# Altium PCB Fri3D_2018_01.PcbDoc (part 3 of 3)
Units mm, origin at the board's own origin, x right, y up, seen from the top; angles counter-clockwise.
Board outline 119.76 x 104.41 mm, 2 copper layers (Top Layer, Bottom Layer), stack 1.571 mm thick; 170 components, 102 nets, 573 pads, 233 vias.
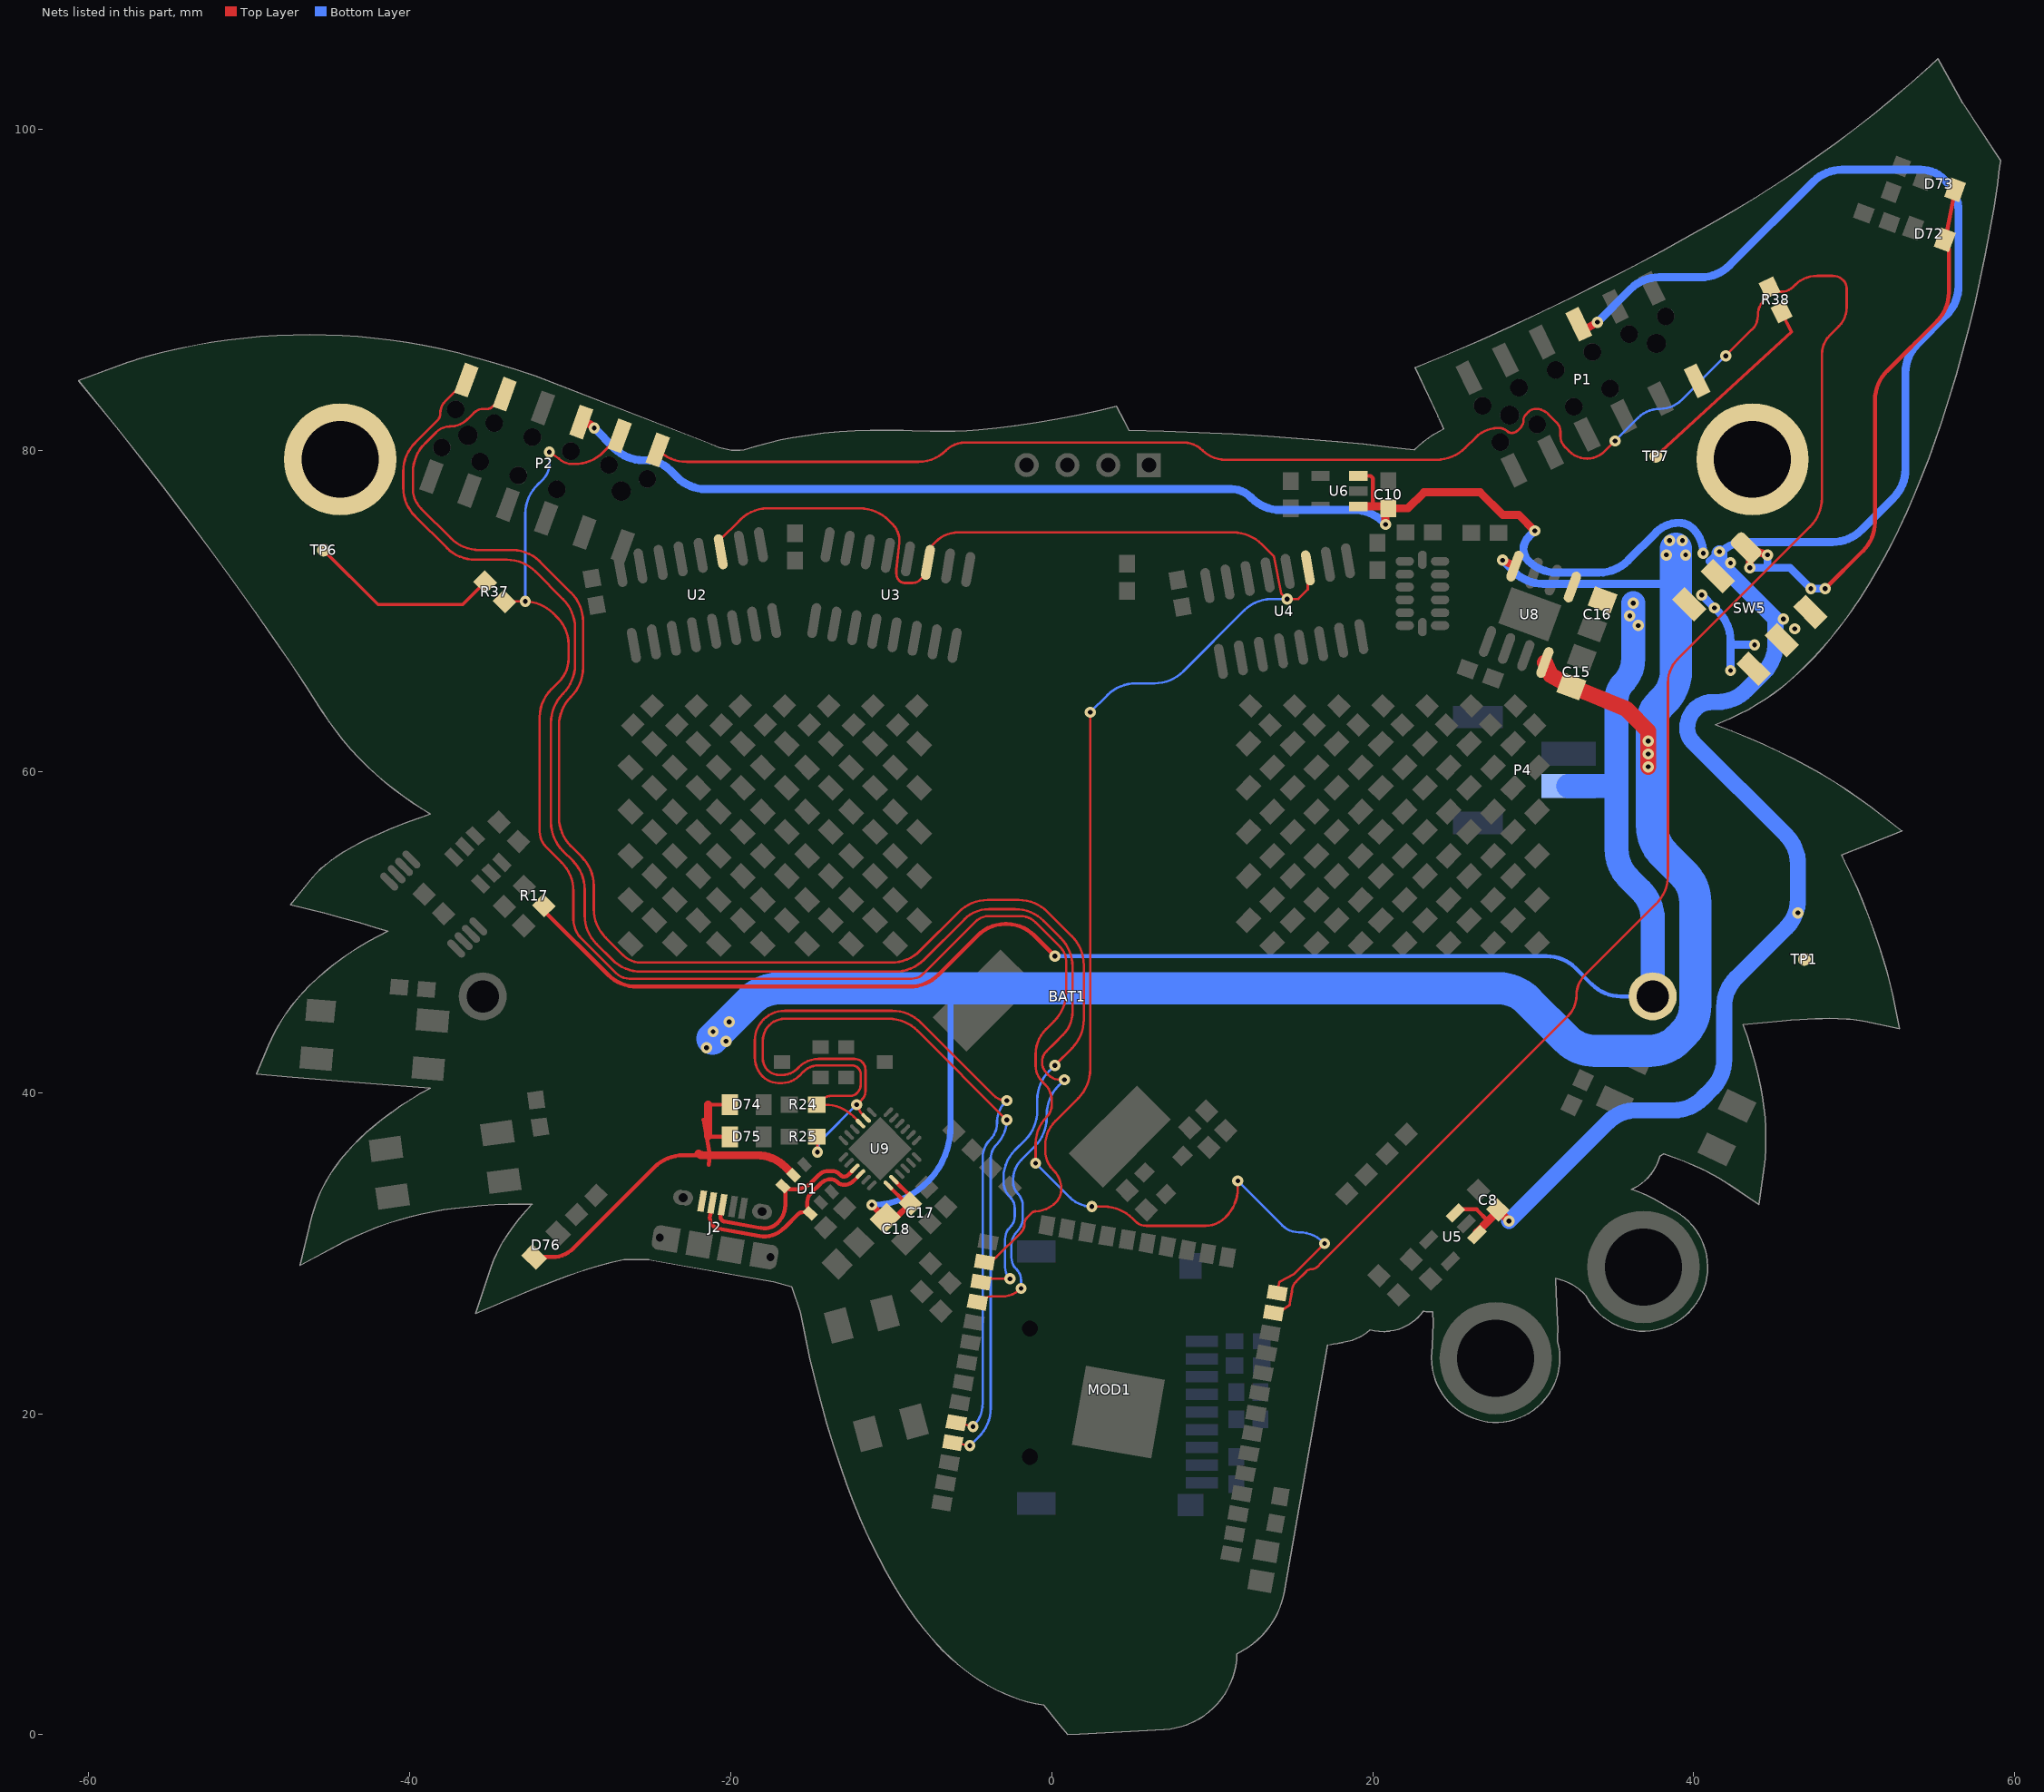
[diagram p3: the nets of this part, all layers, seen from the top]

## Via types
v1: diameter 0.7, hole 0.3, Top Layer to Bottom Layer, tented top, 233 vias

## Nets (pads, with @x,y where several pads share a name; then routed paths per layer and width w, separated by ;. In a path a pad name is that pad's centre, name@x,y a point inside that pad or via, vN(x,y) a via of type N, cw(c..) or ccw(c..) an arc to the next point about the centre after c; other vN are vias at no path point) (continued)
SR.SRCLK: MOD1.26 U2.11 U3.11 U4.11 | length 100.7
  Top Layer w0.15: U2.11@-20.619,73.694 -20.619,74.481 -19.5,75.6 -19.407,75.693 cw(c-17.7,73.986) -17.7,76.4 -11.952,76.4 cw(c-11.952,73.86) -10.156,75.656 -9.905,75.405 cw(c-10.911,74.4) -9.489,74.4 -9.489,74.25 -9.678,72.571 -9.678,72.329 ccw(c-9.071,72.329) -9.661,72.189 ccw(c-9.071,72.329) -9.5,71.9 ccw(c-9.138,72.262) -9.231,71.759 ccw(c-9.138,72.262) -9.138,71.75 -8.681,71.75 ccw(c-8.681,72.431) -8.2,71.949 -7.707,72.442 U3.11@-7.707,73.033 ; U3.11@-7.6,73.14 -7.6,73.95 -7.25,74.3 cw(c-5.801,72.851) -5.801,74.9 11.306,74.9 cw(c11.306,72.36) 13.102,74.156 13.858,73.4 14.3,71.1 v1(14.664,70.75) 15.366,70.75 15.959,71.344 U4.11@15.959,72.694 ; MOD1.26@-4.185,29.445 ccw(c-4.185,30.483) -3.451,29.749 -1.912,31.288 ccw(c-2.424,31.8) -1.7,31.8 cw(c-1.096,31.8) -1.523,32.227 -1.254,32.496 cw(c-0.998,32.24) -1.026,32.601 cw(c-0.998,32.24) -0.998,32.602 ; -0.998,32.602 ccw(c-1.085,34.495) -0.346,32.75 ccw(c-1.085,34.495) 0.255,33.155 ccw(c-0.578,33.988) 0.6,33.988 ccw(c-1.061,33.988) 0.114,35.162 0.1,35.176 cw(c1.307,36.383) -0.4,36.383 -0.4,36.7 cw(c1.773,36.7) 0.236,38.236 ; 0.236,38.236 1.656,39.656 ccw(c-0.14,41.452) 2.4,41.452 v1(2.4,63.7)
  Top Layer w0.25: U3.11@-7.707,73.033 U3.11@-7.6,73.14
  Bottom Layer w0.15: v1(2.4,63.7) 3.456,64.756 cw(c5.252,62.96) 5.252,65.5 6.402,65.5 ccw(c6.402,68.04) 8.198,66.244 12,70.046 ; 12.001,70.047 cw(c13.7,68.347) 13.7,70.75 v1(14.664,70.75)
TOUCH.0: pad.0@-44.333,79.456 R37.2 TP6.1 | length 12.2
  Top Layer w0.2: TP6.1@-45.375,73.8 -41.975,70.4 -36.7,70.4 R37.2@-35.201,71.899
TOUCH.1: P1.11 pad.0@43.667,79.456 R38.2 TP7.1 | length 12.9
  Top Layer w0.2: TP7.1@37.65,79.65 46.1,87.4 R38.2@45.473,88.636
U0.RXD: MOD1.34 R24.2 U9.21 | length 57.2
  Top Layer w0.15: -18.001,41.001 cw(c-16.793,42.207) -18.5,42.207 -18.5,43.234 cw(c-16.634,43.234) -17.954,44.554 cw(c-16.634,43.234) -16.634,45.1 -9.945,45.1 cw(c-9.945,42.56) -8.149,44.356 -3.641,39.849 ccw(c-2.8,40.69) v1(-2.8,39.5) ; -17.999,40.999 ccw(c-17.034,41.966) -17.034,40.6 -16.8,40.6 ccw(c-16.8,42.107) -15.735,41.041 ; -15.734,41.041 -15.476,41.3 cw(c-14.51,40.334) -14.51,41.7 -12.454,41.7 cw(c-12.454,41.146) -12.062,41.538 cw(c-12.454,41.146) -11.9,41.146 -11.9,40.5 cw(c-12.607,40.5) -12.107,40 -12.154,39.954 cw(c-12.524,40.324) -12.524,39.8 -13.7,39.8 ccw(c-13.7,38.834) -14.383,39.517 R24.2@-14.65,39.25 -14.143,39.25 cw(c-14.143,36.71) -12.347,38.506 U9.21@-11.914,38.073 ; MOD1.34@-5.95,19.439 v1(-4.9,19.2)
  Bottom Layer w0.15: v1(-4.9,19.2) ccw(c-6.349,20.649) -4.3,20.649 -4.3,35.964 cw(c-2.764,35.964) -3.85,37.05 ; -3.85,37.05 ccw(c-4.936,38.136) -3.4,38.136 -3.4,38.2 cw(c-1.71,38.2) -2.905,39.395 v1(-2.8,39.5)
U0.TXD: MOD1.35 R25.2 U9.20 | length 57.4
  Top Layer w0.15: R25.2@-14.65,37.25 cw(c-14.77,37.13) -14.6,37.13 v1(-14.6,36.3) ; v1(-12.154,39.25) -12.15,39.25 -11.8,39.6 ; v1@-12,39.117 -12,39.008 ccw(c-11.659,39.008) -11.9,38.766 U9.20@-11.561,38.427 ; -11.8,41.9 ccw(c-12.283,41.417) -12.283,42.1 -14.535,42.1 ccw(c-14.535,40.393) -15.742,41.6 -15.847,41.495 cw(c-16.8,42.448) -16.8,41.1 -16.976,41.1 cw(c-16.976,42.124) -17.7,41.4 cw(c-16.976,42.124) -18,42.124 -18,43.234 cw(c-16.634,43.234) -17.6,44.2 cw(c-16.634,43.234) -16.634,44.6 -10.152,44.6 cw(c-10.152,42.06) -8.356,43.856 v1(-2.8,38.3) ; -11.8,39.6 ccw(c-12.283,40.083) -11.6,40.083 -11.6,41.417 ccw(c-12.283,41.417) -11.8,41.9 ; MOD1.35@-6.17,18.188 v1(-5.1,18)
  Bottom Layer w0.15: v1(-14.6,36.3) cw(c-13.384,36.3) -14.244,37.16 v1(-12.154,39.25) ; v1(-5.1,18) -4.544,18.556 ccw(c-6.34,20.352) -3.8,20.352 -3.8,35.886 cw(c-2.559,35.886) -3.793,36.022 cw(c-2.559,35.886) -3.436,36.764 ccw(c-4.973,38.3) v1(-2.8,38.3)
U1.RXD: MOD1.13 P2.12 R38.1 | length 162.2
  Top Layer w0.15: P2.12@-24.536,80.045 -24.535,80.044 ccw(c-22.739,81.84) -22.739,79.3 -8.29,79.3 ccw(c-8.29,81.69) -6.6,80 cw(c-5.393,78.793) -5.393,80.5 8.227,80.5 cw(c8.227,78.842) 9.4,80.014 ccw(c10.823,81.437) 10.823,79.425 23.973,79.425 ccw(c23.973,81.965) 25.769,80.169 26.434,80.834 cw(c27.8,79.469) 27.8,81.4 27.917,81.4 cw(c27.917,80.717) 28.4,81.2 ccw(c28.641,81.441) 28.641,81.1 ccw(c28.641,81.724) 29.083,81.283 29.188,81.388 ccw(c28.676,81.9) 29.4,81.9 cw(c29.883,81.9) 29.541,82.241 29.7,82.4 cw(c30.183,81.917) 30.183,82.6 cw(c30.183,81.556) 30.921,82.294 31.477,81.738 cw(c30.939,81.2) 31.7,81.2 31.7,80.924 ccw(c32.724,80.924) 32,80.2 32.227,79.973 ccw(c33.369,81.115) 33.369,79.5 ccw(c33.369,81.023) 34.446,79.946 v1(35.1,80.6) ; MOD1.13@13.825,26.269 14.059,26.228 14.823,26.762 14.971,27.6 cw(c15.865,27.6) 15.233,28.233 15.859,28.859 cw(c16.2,28.517) 16.2,29 ccw(c16.2,29.483) 16.541,29.141 ; 16.541,29.141 16.8,29.4 32.1,44.7 32.17,44.77 ccw(c30.889,46.05) 32.7,46.05 cw(c34.511,46.05) 33.23,47.33 37.656,51.756 ccw(c35.86,53.552) 38.4,53.552 38.4,65.551 cw(c40.449,65.551) 39,67 47.251,75.251 ccw(c45.455,77.047) 47.995,77.047 47.995,86 cw(c49.673,86) 48.486,87.186 49.05,87.75 ; v1(42,85.9) 43.641,87.541 ccw(c42.775,88.408) 44,88.408 cw(c45.43,88.408) 44.419,89.419 ccw(c43.674,90.164) R38.1@44.727,90.164 ccw(c45.365,90.801) 45.365,89.9 45.473,89.9 ccw(c45.473,90.932) 46.202,90.202 46.31,90.311 cw(c47.7,88.921) 47.7,90.886 48.645,90.886 cw(c48.645,89.909) 49.335,90.601 ; 49.051,87.751 ccw(c47.884,88.916) 49.533,88.916 49.533,90.125 ccw(c48.861,90.125) 49.336,90.6
  Bottom Layer w0.15: v1(35.1,80.6) 36.534,82.034 cw(c37.9,80.669) 37.9,82.6 ccw(c37.9,84.531) 39.266,83.166 v1(42,85.9)
U1.TXD: MOD1.14 P2.10 R37.1 | length 115.2
  Top Layer w0.15: R37.1@-34.099,70.599 -32.851,70.599 cw(c-32.851,68.059) -31.055,69.855 -30.807,69.607 cw(c-32.514,67.9) -30.1,67.9 -30.1,67.049 cw(c-32.149,67.049) -30.7,65.6 -31.193,65.107 ccw(c-29.486,63.4) -31.9,63.4 -31.9,56.266 ccw(c-30.534,56.266) -31.5,55.3 -30.544,54.344 cw(c-32.34,52.548) -29.8,52.548 -29.8,50.807 ccw(c-28.093,50.807) -29.3,49.6 -27.154,47.454 ; v1(-31.3,79.9) -30.7,79.5 ccw(c-29.886,80.314) -29.886,79.163 -29.726,79.163 ccw(c-29.726,81.703) -27.93,79.907 P2.10@-26.923,80.914 ; -27.153,47.453 ccw(c-26.3,48.307) -26.3,47.1 -8.724,47.1 ccw(c-8.724,48.124) -8,47.4 -4.754,50.646 cw(c-3.9,49.793) -3.9,51 -1.966,51 cw(c-1.966,49.634) -1,50.6 0.546,49.054 cw(c-0.307,48.2) 0.9,48.2 0.9,46.252 cw(c-1.64,46.252) 0.156,44.456 -0.356,43.944 ccw(c1.199,42.389) -1,42.389 -1,41.7 ccw(c0.449,41.7) -0.576,40.676 -0.4,40.5 cw(c-1.366,39.534) 0,39.534 0,39.224 cw(c-1.024,39.224) -0.3,38.5 ccw(c1.39,36.81) -1,36.81 v1(-1,35.6) ; v1(2.5,32.9) 3.248,32.9 cw(c3.248,30.36) 5.044,32.156 5.216,31.984 ccw(c5.901,32.668) 5.901,31.7 9.578,31.7 ccw(c9.578,33.428) 10.8,32.206 10.856,32.262 ccw(c9.06,34.058) 11.6,34.058 v1(11.6,34.5) ; MOD1.14@14.045,27.4 MOD1.14@14.045,27.52 14.081,27.681 14.2,28.213 15.1,28.7 v1(17,30.6)
  Bottom Layer w0.15: v1(-32.8,70.6) -32.8,76.048 cw(c-30.26,76.048) -32.147,77.748 cw(c-30.26,76.048) -32.056,77.844 -31.7,78.2 ccw(c-32.666,79.166) -31.3,79.166 v1(-31.3,79.9) ; v1(-1,35.6) 1.134,33.466 ccw(c2.5,34.831) v1(2.5,32.9) ; v1(11.6,34.5) 14.376,31.724 ccw(c15.4,32.749) 15.4,31.3 cw(c15.4,29.127) 16.936,30.664 v1(17,30.6)
U2.RXD: MOD1.27 P2.4 | length 102.1
  Top Layer w0.15: P2.4@-34.083,83.52 -34.083,83.517 -34.9,82.7 cw(c-35.141,82.941) -35.141,82.6 -35.4,82.6 ccw(c-35.4,81.751) -36.001,82.351 -36.394,81.958 cw(c-37.5,83.065) -36.455,81.9 cw(c-37.5,83.065) -37.027,81.573 cw(c-37.5,83.065) -37.5,81.5 ccw(c-37.5,80.293) -38.354,81.146 -39.056,80.444 ccw(c-37.26,78.648) -39.8,78.648 -39.8,77.607 ccw(c-38.093,77.607) -39.3,76.4 -37.444,74.544 ccw(c-35.648,76.34) -35.648,73.8 -33.6,73.8 cw(c-33.6,71.386) -31.893,73.093 -29.944,71.144 cw(c-31.74,69.348) -29.2,69.348 -29.2,66.469 cw(c-31.74,66.469) -29.944,64.673 -29.956,64.661 ccw(c-28.16,62.864) -30.7,62.864 -30.7,57.152 ccw(c-28.16,57.152) -29.956,55.356 -29.278,54.678 cw(c-31.074,52.882) -28.534,52.882 -28.534,51.453 ccw(c-25.994,51.453) -27.79,49.657 -26.682,48.548 ccw(c-25.6,49.63) -25.6,48.1 -9.995,48.1 ccw(c-9.995,50.64) -8.199,48.844 -5.786,51.256 cw(c-3.99,49.46) -3.99,52 -2.052,52 cw(c-2.052,49.46) -0.256,51.256 1.256,49.744 cw(c-0.54,47.948) 2,47.948 2,44.559 cw(c-0.54,44.559) 1.256,42.763 0.243,41.75 v1@0.143,41.75 ; MOD1.27@-4.406,28.194 -4.2,28.4 v1(-2.607,28.4) v1@-2.6,28.4
  Bottom Layer w0.15: v1(-2.607,28.4) cw(c-1.9,29.107) -2.9,29.107 -2.9,30.876 cw(c-1.876,30.876) -2.6,31.6 ccw(c-3.324,32.324) -2.3,32.324 -2.3,32.776 ccw(c-3.324,32.776) -2.6,33.5 ; -2.601,33.501 cw(c-1.634,34.466) -3,34.466 -3,34.7 cw(c-0.586,34.7) -2.294,36.406 ; -2.293,36.407 -1.644,37.056 ccw(c-3.44,38.852) -0.9,38.852 -0.9,39.555 cw(c1.64,39.555) -0.156,41.351 v1(0.193,41.7)
U2.TXD: MOD1.28 P2.2 | length 103.9
  Top Layer w0.15: P2.2@-36.47,84.389 -37.259,83.6 -37.776,83.083 ccw(c-36.992,82.3) -38.1,82.3 cw(c-38.71,82.3) -38.279,81.869 -39.656,80.491 ccw(c-37.86,78.695) -40.4,78.695 -40.4,77.696 ccw(c-37.86,77.696) -39.656,75.9 -37.7,73.944 ccw(c-35.904,75.74) -35.904,73.2 -33.952,73.2 cw(c-33.952,70.66) -32.156,72.456 -30.444,70.744 cw(c-32.24,68.948) -29.7,68.948 -29.7,66.652 cw(c-32.24,66.652) -30.444,64.856 -30.456,64.844 ccw(c-28.66,63.048) -31.2,63.048 -31.2,56.852 ccw(c-28.66,56.852) -30.456,55.056 -29.844,54.444 cw(c-31.64,52.648) -29.1,52.648 -29.1,51.053 ccw(c-26.56,51.053) -28.356,49.257 -27.378,48.278 ccw(c-25.581,50.074) -25.581,47.534 -9.76,47.534 ccw(c-9.76,50.074) -7.964,48.278 -5.45,50.792 cw(c-3.9,49.242) -3.9,51.434 -2.286,51.434 cw(c-2.286,48.894) -0.49,50.69 0.556,49.644 cw(c-1.24,47.848) 1.3,47.848 1.3,45.049 cw(c-0.749,45.049) 0.702,43.602 cw(c-0.749,45.049) 0.7,43.6 0.2,43.1 -0.317,42.583 ccw(c0.366,41.9) -0.6,41.9 ccw(c0.366,41.9) -0.318,41.218 -0.2,41.1 ccw(c0.524,41.824) 0.524,40.8 v1(0.793,40.8) v1@0.8,40.8 ; MOD1.28@-4.627,26.943 cw(c-3.765,26.081) -3.765,27.3 -3.107,27.3 ccw(c-3.107,29.007) v1@-1.901,27.799
  Bottom Layer w0.15: -2.154,31.346 ccw(c-1.3,30.493) -2.507,30.493 -2.507,29.731 ccw(c-1.483,29.731) -2.207,29.007 cw(c-2.931,28.283) -1.907,28.283 v1(-1.907,27.8) ; -2.154,31.346 ccw(c-3.007,32.2) -1.8,32.2 -1.8,32.959 ccw(c-2.848,32.959) -2.107,33.7 cw(c-1.4,34.407) -2.4,34.407 -2.4,34.593 cw(c-0.693,34.593) -1.901,35.799 ; -1.9,35.8 -1.051,36.649 ccw(c-2.847,38.445) -0.307,38.445 -0.307,38.648 cw(c2.233,38.648) 0.437,40.444 v1(0.793,40.8)
USB.D_n: D1.1 J2.2 U9.4 | length 13
  Top Layer w0.25: J2.2@-21.145,33.133 -21.288,32.317 ccw(c-20.604,32.196) -20.725,31.511 -18.204,31.067 ccw(c-17.908,32.745) -16.703,31.54 ; -16.65,31.575 -15.781,32.444 cw(c-15.525,32.188) -15.525,32.55 D1.1@-15.218,32.55 ; D1.1@-15.048,32.48 cw(c-14.621,32.907) -15.225,32.907 -15.225,33.212 cw(c-14.508,33.212) -15.015,33.718 -14.387,34.347 cw(c-13.775,33.735) -13.775,34.6 -13.772,34.6 cw(c-13.772,34.003) -13.35,34.425 -13.334,34.409 ccw(c-12.95,34.793) -12.95,34.25 ccw(c-12.95,35.117) -12.337,34.504 U9.4@-11.914,34.927
USB.D_p: D1.6 J2.3 U9.3 | length 12.3
  Top Layer w0.25: J2.3@-20.504,33.02 -20.628,32.316 ccw(c-20.328,32.263) -20.381,31.962 -18.117,31.563 ccw(c-17.908,32.745) -17.06,31.896 ccw(c-18.17,33.006) -16.6,33.006 -16.6,33.826 ccw(c-17.096,33.826) D1.6@-16.745,34.177 ccw(c-16.258,34.664) -16.258,33.975 -16.001,33.975 ccw(c-16.001,35.426) -14.975,34.4 -14.495,34.88 cw(c-13.925,34.309) -13.925,35.116 -13.655,35.116 cw(c-13.655,34.545) -13.251,34.949 -13.149,34.846 ccw(c-12.95,35.045) -12.95,34.764 ccw(c-12.95,35.164) -12.667,34.881 U9.3@-12.268,35.28
VBAT: BAT1.1 C16.1 P4.1 R17.1 SW5.5 SW5.6 U8.5 | length 109.5
  Top Layer w0.25: R17.1@-31.649,51.649 -31.649,51.349 -27.644,47.344 ccw(c-25.848,49.14) -25.848,46.6 -8.852,46.6 ccw(c-8.852,49.14) -7.056,47.344 -4.607,49.793 cw(c-2.9,48.086) -2.9,50.5 -2.79,50.5 cw(c-2.79,48.11) -1.1,49.8 v1(0.2,48.5)
  Bottom Layer w0.25: v1(0.2,48.5) 30.848,48.5 cw(c30.848,45.96) 32.644,47.756 33.656,46.744 ccw(c35.452,48.54) 35.452,46 BAT1.1@37.45,46
  Bottom Layer w0.5: v1(40.5,71) v1(41.3,70.2) 41.556,69.944 cw(c39.76,68.148) 42.3,68.148 42.3,67.9 ; v1(42.3,66.3) 42.3,67.9 ; v1(43.8,67.9) 42.3,67.9
  Bottom Layer w1.5: P4.1@32.2,59.1 35.2,59.1 ; v1(36.231,70.5) 36.231,67.023 cw(c34.077,67.023) 35.6,65.5 ccw(c36.566,64.534) 35.2,64.534 35.2,59.1 ; BAT1.1@37.45,46 37.45,50.798 ccw(c34.91,50.798) 36.706,52.594 35.944,53.356 cw(c37.74,55.152) 35.2,55.152 35.2,59.1
  other v1: 36.549,69.1 36.021,69.7
VSYS: C8.1 C10.1 P1.8 P2.8 SW5.3 SW5.4 TP1.1 U5.1 U5.3 U6.1 U6.3 | length 209.5
  Top Layer w0.25: U6.3@19.1,78.425 19.875,78.425 20.025,78.275 20.025,76.525 ; U5.3@25.159,32.503 25.159,32.725 26.475,32.725 27.2,32 ; TP1.1@46.85,48.25 TP1.1@46.9,48.3 TP1.1@47.1,48.5
  Top Layer w0.5: P2.8@-29.31,81.783 cw(c-29.31,80.752) -28.581,81.481 v1(-28.5,81.4) ; U6.1@19.1,76.525 20.025,76.525 20.825,76.525 C10.1@20.925,76.625 ; v1(20.8,75.4) 20.8,76.225 C10.1@20.975,76.4 22.2,76.4 23.2,77.4 26.7,77.4 28.1,76 29.1,76 v1(30.1,75) ; U5.1@26.503,31.159 26.503,31.303 27.2,32 C8.1@27.801,32.601 ; C8.1@27.9,32.7 C8.1@27.85,32.65 ; v1(28.5,32) C8.1@27.85,32.65 ; P1.8@32.846,87.875 32.988,87.63 33.261,87.557 v1(34,88) ; C8.1@27.801,32.601 C8.1@27.85,32.65 ; C8.1@27.801,32.601 C8.1@27.801,32.699 C8.1@27.85,32.65
  Bottom Layer w0.5: v1(-28.5,81.4) -27.244,80.144 ccw(c-25.448,81.94) -25.448,79.4 -25.249,79.4 cw(c-25.249,77.351) -23.8,78.8 -23.344,78.344 ccw(c-21.548,80.14) -21.548,77.6 11.193,77.6 cw(c11.193,75.893) 12.4,77.1 12.456,77.044 ccw(c14.252,78.84) 14.252,76.3 18.848,76.3 cw(c18.848,73.76) 20.644,75.556 v1(20.8,75.4) ; v1(30.1,75) 29.714,74.614 ccw(c30.471,73.856) 29.4,73.856 ccw(c30.424,73.856) 29.7,73.132 ccw(c31.468,74.9) 31.468,72.4 34.106,72.4 ccw(c34.106,74.94) 35.902,73.144 37.673,74.915 cw(c39.086,73.503) 39.086,75.5 cw(c39.086,74.259) 39.964,75.136 cw(c38.427,73.6) v1(40.6,73.6) ; v1(34,88) 36.056,90.056 cw(c37.852,88.26) 37.852,90.8 40.448,90.8 ccw(c40.448,93.34) 42.244,91.544 47.456,96.756 cw(c49.252,94.96) 49.252,97.5 54.151,97.5 cw(c54.151,95.451) 55.6,96.9 55.756,96.744 cw(c53.96,94.948) 56.5,94.948 56.5,90.252 cw(c53.96,90.252) 55.756,88.456 53.944,86.644 ccw(c55.74,84.848) 53.2,84.848 53.2,78.852 cw(c50.66,78.852) 52.456,77.056 50.444,75.044 cw(c48.648,76.84) 48.648,74.3 43.29,74.3 ccw(c43.29,71.91) v1@41.6,73.6 ; 41,73.1 v1(41.6,73.7)
  Bottom Layer w1: v1(28.5,32) 34.656,38.156 cw(c36.452,36.36) 36.452,38.9 38.751,38.9 ccw(c38.751,41.44) 40.547,39.644 41.156,40.253 ccw(c39.36,42.049) 41.9,42.049 41.9,45.348 cw(c44.44,45.348) 42.644,47.144 42.844,47.344 45.756,50.256 ccw(c43.96,52.052) 46.5,52.052 46.5,54.248 ccw(c43.96,54.248) 45.756,56.044 39.949,61.851 cw(c40.79,62.693) 39.6,62.693 cw(c41.307,62.693) 40.1,63.9 cw(c41.149,62.851) 41.149,64.334 41.482,64.334 ccw(c41.482,66.874) 43.278,65.078 44.356,66.156 ccw(c42.56,67.952) 45.071,67.571 ccw(c42.56,67.952) 45.1,67.952 45.1,69.5 41.6,73 v1@41.6,73.6
  other v1: 46.5,51.2 46.3,68.9 45.6,69.5 42.3,73
VUSB: C15.1 C17.1 C18.2 D1.5 D72.1 D73.1 D74.1 D75.1 D76.1 J2.1 SW5.1 SW5.2 U8.4 U8.8 U9.7 U9.8 | length 207.6
  Top Layer w0.25: D76.1@-32.242,29.758 -31.11,29.758 ccw(c-31.11,31.61) -29.8,30.3 -24.744,35.356 cw(c-22.948,33.56) -22.948,36.1 -21.759,36.1 ; -21.694,38.306 -21.4,36.683 -21.3,36.131 -21.304,36.1 -21.376,35.494 ; -21.5,37.25 D75.1@-20.05,37.25 ; -21.4,39.25 D74.1@-20.05,39.25 ; U9.7@-10.182,34.22 -9.063,33.101 C17.1@-8.796,33.101 -8.796,33.54 U9.8@-9.828,34.573 ; v1(48.2,71.4) 50.556,73.756 ccw(c48.76,75.552) 51.3,75.552 51.3,83.148 cw(c53.84,83.148) 52.044,84.944 55.156,88.056 ccw(c53.36,89.852) 55.9,89.852 55.9,92.538 ccw(c55.05,92.538) D72.1@55.651,93.139 D72.1@55.651,93 ; D72.1@55.677,93.134 D73.1@56.287,96.241
  Top Layer w0.381: v1(-11.207,33) -11.194,33 C18.2@-10.366,32.172 -9.725,32.172 C17.1@-8.796,33.101
  Top Layer w0.5: -22,36.2 ccw(c-21.759,36.441) -21.759,36.1 -21.304,36.1 -18.377,36.1 cw(c-18.377,33.56) -16.581,35.356 D1.5@-16.074,34.849 ; -21.4,37.3 -21.4,39.25 ; v1(28.1,73.17) U8.8@28.865,72.801 ; v1(43.5,72.7) 43.5,73.72 SW5.1@43.27,73.95 v1(44.6,73.5)
  Top Layer w1: U8.4@30.735,66.799 31.1,66 C15.1@32.375,65.307 35.8,63.9 37.175,62.525 v1(37.175,61.9) v1(37.175,61.1) v1(37.175,60.3)
  Bottom Layer w0.381: v1(-11.207,33) ccw(c-11.207,37.907) -6.3,37.907 -6.3,46.3 -6.1,46.5
  Bottom Layer w0.5: v1(28.1,73.17) 28.826,72.444 ccw(c30.622,74.24) 30.622,71.7 38.9,71.7 ; v1(43.5,72.7) 44.6,72.7 ; v1(44.6,73.5) 44.6,72.7 ; v1(48.2,71.4) v1(47.3,71.4) 46,72.7 44.6,72.7
  Bottom Layer w2: -21.15,43.35 v1(-20.1,44.4) -18.744,45.756 cw(c-16.948,43.96) -16.948,46.5 -6.1,46.5 27.848,46.5 cw(c27.848,43.96) 29.644,45.756 32.056,43.344 ccw(c33.852,45.14) 33.852,42.6 37.248,42.6 ccw(c37.248,45.14) 39.044,43.344 39.356,43.656 ccw(c37.56,45.452) 40.1,45.452 40.1,51.848 ccw(c37.56,51.848) 39.356,53.644 38.144,54.856 cw(c39.94,56.652) 37.4,56.652 37.4,62.993 cw(c39.107,62.993) 37.9,64.2 38.156,64.456 ccw(c36.36,66.252) 38.9,66.252 ; 38.9,69.4 38.9,66.252 ; 38.9,73.9 38.9,71.7 38.9,66.252
  other v1: -21.5,42.8 -20.3,43.2 -21.1,43.8 38.3,73.5 39.5,73.5 38.5,74.4 39.3,74.4
pads on no net: D1.3 D1.4 J1.0 J1.1 J1.8 J1.9 J2.4 MOD1.32 P1. P1.9 P2. P2.9 P4.M1 P4.M2 T1.1 T1.8 U1.3 U1.10 U1.11 U4.9 U5.4 U6.4 U7.4 U9.1 U9.10 U9.11 U9.12 U9.13 U9.14 U9.15 U9.16 U9.17 U9.18 U9.22 U9.24

## Polygon pours and split planes (outlines as drawn)
GND on Bottom Layer "L02_GND_P000" (solid, remove dead copper, pour order 0): -60.975,105 -60.975,-1.55 60.1,-1.55 60.1,105
GND on Top Layer "L01_GND_P002" (solid, remove dead copper, pour order 2): -60.975,105 -60.975,-1.55 60.1,-1.55 60.1,105

## Keep-outs
Keep-Out Layer:
  region: 10.788,9.781 14.9,5.67 14.9,2.4 10.7,-1.8 -8.1,-1.8 -13.1,3.2 -13.1,11 -13.2,11.1 -13.2,14
  text ".Layer_Name" at 248,-54 h3.5

## Other copper
Top Layer:
  region net VUSB: 47.5,68.9 46.171,70.229 cw(c46.341,70.4) 46.1,70.4 cw(c46.824,70.4) 46.312,70.912 47,71.6 cw(c47.483,71.117) 47.483,71.8 48.259,71.8 cw(c48.259,71.459) 48.5,71.7 cw(c48.259,71.459) 48.6,71.459 48.6,70.324 cw(c47.576,70.324) 48.3,69.6 47.6,68.9
  region net VSYS: 45.6,69.9 45.541,69.9 ccw(c45.541,69.559) 45.3,69.8 ccw(c45.541,69.559) 45.2,69.559 45.2,69.5 cw(c44.717,69.5) 45.059,69.159 44.4,68.5 45.8,67.1 46.6,67.9 ccw(c46.359,68.141) 46.7,68.141 46.7,68.959 ccw(c46.359,68.959) 46.6,69.2 46.112,69.688 ccw(c45.6,69.176)
  region net VBAT: 44.8,66.1 cw(c46.249,67.549) 44.2,67.549 44.2,67.9 ccw(c43.8,67.9) 43.8,68.3 ccw(c43.8,67.9) 43.4,67.9 43.4,67.883 cw(c42.717,67.883) 43.2,67.4 42.641,66.841 cw(c42.3,67.183) 42.3,66.7 ccw(c42.3,66.3) 41.9,66.3 ccw(c42.3,66.3) 42.3,65.9 42.893,65.9 cw(c42.893,64.193) 44.1,65.4
  region net VSYS: 40.376,72.524 cw(c41.039,73.187) 40.102,73.187 40.102,73.602 cw(c40.6,73.602) 40.6,74.1 41.477,74.1 cw(c41.477,73.417) 41.96,73.9 42.516,73.343 cw(c42.073,72.9) 42.7,72.9 42.7,72.141 cw(c42.359,72.141) 42.6,71.9 41.8,71.1
  region net VUSB: 40.441,74.3 41.514,74.3 cw(c41.514,72.764) 42.6,73.85 ccw(c43.445,74.695) 43.445,73.5 43.5,73.5 ccw(c43.017,73.983) 43.7,73.983 43.7,74.2 ccw(c43.459,74.2) 43.629,74.371 43.124,74.876 ccw(c42.1,73.851) 42.1,75.3 40.45,75.3
  region net VUSB: 39.9,73.767 cw(c40.433,73.767) 40.433,74.3 40.45,74.3 40.45,75.3 39.35,75.3 ccw(c39.35,73.85) 37.9,73.85 37.9,73.3 ccw(c38.1,73.3) 38.1,73.1 39.6,73.1 ccw(c39.6,73.4) 39.9,73.4
  region net VBAT: 32.768,72.5 ccw(c32.768,72.044) 32.445,72.366 ccw(c33.761,71.05) 31.9,71.05 31.9,70.9 ccw(c32.383,70.9) 32.041,70.559 32.1,70.5 ccw(c32.341,70.741) 32.341,70.4 33.21,70.4 cw(c33.21,68.01) 34.9,69.7 35.256,69.344 ccw(c37.052,71.14) 37.052,68.6 39.148,68.6 ccw(c39.148,71.14) 40.944,69.344 41.559,69.959 ccw(c41.217,70.3) 41.7,70.3 ccw(c40.976,70.3) 41.488,70.812 41,71.3 ccw(c40.034,70.334) 40.034,71.7 35.207,71.7 cw(c35.207,73.407) 34,72.2 ccw(c33.276,71.476) 33.276,72.5
  region net TOUCH.1: 39.9,84.4 cw(c39.176,83.676) 40.2,83.676 40.2,83.524 cw(c39.176,83.524) 39.9,82.8 40.077,82.8 ccw(c40.077,84.671) 41.4,83.348 41.661,83.609 ccw(c41.545,83.725) 41.709,83.725 41.464,83.725 cw(c41.464,84.664) 40.8,84
  pour cut-out: 43.998,44.325 50.381,44.4 cw(c49.343,33.732) 52.993,43.81 ccw(c40.554,42.226) 52.519,45.976 52.499,46.039 ccw(c49.369,47.36) 52.707,46.726 ccw(c44.869,45.006) 52.298,48.041 ccw(c23.139,40.675) 50.519,53.117 54.9,54.998 ccw(c50.773,51.301) 47.383,55.684 44.314,54.485 ccw(c44.351,54.392) 44.26,54.348 cw(c32.095,48.615) 45.417,50.454 cw(c37.653,49.179) 45.521,49.178 cw(c37.65,49.178) 44.814,45.916 ccw(c44.896,45.867) 44.805,45.896 cw(c-174.232,157.326)
  region net TOUCH.1: 39,78.5 cw(c39.464,77.464) 40.5,77.929 43.667,79.456 44.6,82.8 cw(c45,83.7) 44.1,84.1 40.2,81.7
  region net TOUCH.0: -47,75.5 -49.3,79.5 ccw(c-49.03,80.97) -47.56,80.7 -44.333,79.456 -41.8,77.1 ccw(c-40.85,75.65) -42.3,74.7
  region net TOUCH.1: 32.662,73.16 ccw(c26.095,84.779) 34.308,74.259 ccw(c10.452,106.002) 38.177,77.575 ccw(c-12.468,129.936) 48.513,90.088 cw(c30.635,105.149) 45.041,86.739 cw(c-9.939,154.492) 40.007,82.947 cw(c-79.141,253.659) 30.547,76.72
  region net VSYS: 44.789,45.862 ccw(c44.88,45.82) 44.967,45.769 46.596,45.897 ccw(c46.657,45.976) 46.666,45.876 cw(c48.253,28.296) 51.072,45.721 ccw(c51.088,45.82) 51.088,45.72 ccw(c51.088,45.82) 51.175,45.769 ccw(c51.088,45.82) 51.175,45.769 ccw(c51.123,45.855) 51.224,45.855 ccw(c51.123,45.855) 51.222,45.875 ccw(c34.516,42.603) 50.913,47.179 ccw(c50.816,47.152) 50.913,47.179 ccw(c12.339,36.279) 48.357,53.871 47.51,55.634 ccw(c47.42,55.591) 47.383,55.684 44.314,54.485 ccw(c44.351,54.392) 44.26,54.348 ccw(c32.089,48.613) 44.26,54.349 44.26,54.348 cw(c32.089,48.613) 45.417,50.454 ccw(c45.517,50.468) 45.418,50.451 cw(c37.647,49.178) 45.521,49.178 cw(c37.647,49.178) 44.814,45.916 ccw(c44.9,45.865) 44.805,45.896 cw(c37.647,49.178)
  region net TOUCH.0: -38.909,64.481 cw(c-23.678,82.96) -41.293,66.737 ccw(c-19.173,76.687) -38.419,61.926 ccw(c0.527,90.686) -36.825,59.885 ccw(c-1.394,88.895) -35.12,57.919 cw(c-23.094,78.649) -43.693,66.399 cw(c27.059,115.704) -47.539,72.438 cw(c35.582,121.01) -50.403,77.71 cw(c-26.202,90.44) -51.769,80.741 cw(c-67.18,46.692) -43.67,75.745 -38.042,71.644 -33.269,68.122 ccw(c-17.453,88.559) -30.781,66.42 cw(c-29.643,85.008) -35.874,67.458 cw(c-33.327,74.188) -37.448,68.289 ccw(c-32.56,68.065) -36.6,65.304 ccw(c-21.991,73.599) -35.673,63.85 ccw(c-18.797,75.743) -34.52,62.363 cw(c-34.617,65.233) -35.645,62.552 cw(c-33.248,69.709) -37.019,63.171 cw(c-30.233,74.977)
  region: 44.2,68
  region net VUSB: 39.9,74
  region net VUSB: -21.341,33.984 -20.975,34.35 -20.975,41.875 -19.8,43.05 -19.8,44.6 -20,44.8 -21.1,44.8 -22.45,43.45 -22.45,34.355 -21.968,33.937 -22.1,32.636 -21.736,32.549
  region net GND: -37.6,52.847 -39.597,50.85 -40.616,51.866 -40.616,52.25 -40.5,52.366 -40.5,52.984 -41.689,54.173 -40.933,54.933 -39.75,53.75 -38.5,53.75
  region net GBAT: -36.1,47 -36.1,48.675 -38.574,51.149 -38.501,51.149 -37.85,51.8 -34.9,48.85 -34.9,47.1 -34.6,47.1 -34.2,46.7 -34.2,45.8 -34.8,45.2 -35.3,45.7 -36.3,45.7 -36.6,46 -36.6,46.6 -36.7,46.7 -36.5,46.9 -36.5,47.1
  text ".Layer_Name" at 248,-54 h3.5
Bottom Layer:
  region net VSYS: 44.7,65.9 46.134,67.334 ccw(c44.769,68.7) 46.7,68.7 46.7,68.959 ccw(c46.359,68.959) 46.6,69.2 46.112,69.688 ccw(c45.6,69.176) 45.6,69.9 cw(c45.6,70.383) 45.259,70.041 45,70.3
  region net VBAT: 40.129,70.971 cw(c40.529,70.971) 40.529,71.371 cw(c40.529,70.164) 41.383,71.017 44.017,68.383 cw(c43.505,67.871) 44.229,67.871 cw(c43.505,67.871) 44.017,67.359 42.671,66.012 cw(c42.329,66.354) 42.329,65.871 cw(c42.329,66.271) 41.929,66.271 41.929,67.719 ccw(c39.389,67.719) 41.185,69.515 40.412,70.288 cw(c41.095,70.971)
  region net VUSB: 43.5,72.3 cw(c43.5,72.7) 43.1,72.7 43.1,72.8 cw(c43.4,72.8) 43.4,73.1 43.8,73.1 ccw(c43.8,73.5) 44.2,73.5 cw(c44.6,73.5) 44.6,73.9 45.348,73.9 cw(c45.348,71.36) 47.144,73.156 48.4,71.9 cw(c47.917,71.417) 48.6,71.417 48.6,71.4 cw(c48.2,71.4) 48.2,71 47.3,71 cw(c47.3,71.724) 46.788,71.212 46.444,71.556 ccw(c44.648,69.76) 44.648,72.3
  pour cut-out: -38.909,64.481 cw(c-23.678,82.96) -41.293,66.737 ccw(c-19.173,76.687) -38.419,61.926 ccw(c0.527,90.686) -36.825,59.885 ccw(c-1.394,88.895) -35.12,57.919 cw(c-23.094,78.649) -43.693,66.399 cw(c27.059,115.704) -47.539,72.438 cw(c35.582,121.01) -50.403,77.71 cw(c-26.202,90.44) -51.769,80.741 cw(c-67.18,46.692) -43.67,75.745 -38.042,71.644 -33.269,68.122 ccw(c-17.453,88.559) -30.781,66.42 cw(c-29.643,85.008) -35.874,67.458 cw(c-33.327,74.188) -37.448,68.289 ccw(c-32.56,68.065) -36.6,65.304 ccw(c-21.991,73.599) -35.673,63.85 ccw(c-18.797,75.743) -34.52,62.363 cw(c-34.617,65.233) -35.645,62.552 cw(c-33.248,69.709) -37.019,63.171 cw(c-30.233,74.977)
  pour cut-out: 32.662,73.16 ccw(c26.095,84.779) 34.308,74.259 ccw(c10.452,106.002) 38.177,77.575 ccw(c-12.468,129.936) 48.513,90.088 cw(c30.635,105.149) 45.041,86.739 cw(c-9.939,154.492) 40.007,82.947 cw(c-79.141,253.659) 30.547,76.72
  region net VSYS: 40.2,73.8 40.5,74.1 42,74.1 42.7,73.4 42.7,72.8 42.3,72.4 40.8,72.4 40.2,73
  text ".Layer_Name" at 248,-54 h3.5

## Silkscreen, mask and mechanical layers (free items; w line width, h text height)
Top Overlay:
  drawing of 2685 lines, arcs and shapes, not listed
  text "C" at 54.1,98.1 h2 r341.39
  text "S" at 53.5,95.038 h2 r341.39
  text "Touch 0" at -52.425,78.875 h2 r297.72
  text "Touch 1" at 29.7,76.2 h2 r31.83
  text "VSYS" at 43.6,54.175 h2 r21.61
  text "BTN1" at -39.55,42.55 h2 r354.83
  text "RST" at 33.101,41.5 h2 r334.56
  text "R" at -22.3,39.4 h2 r317.37
  text "-" at 30.35,38.2 h1.52
  text "-" at 30,37.5 h1.52
  text "T" at -22.45,37.2 h2 r317.37
  text "-" at 30.643,37.072 h1.52
  text "-" at 31.3,36.6 h1.52
  text "+" at 24.912,36.475 h1.52
  text "-" at 30.806,36.3 h1.52
  text "+" at 25.608,35.975 h1.52
  text "-" at 31.4,35.7 h1.52
  text "BTN0" at -35.075,35.425 h2 r8.13
  text "+" at 26.325,35.4 h1.52
  text "-" at 31.104,34.8 h1.52
  text "+" at 26.721,34.725 h1.52
  text "-" at 31.9,34.6 h1.52
  text "+" at 27.396,34.125 h1.52
  text "-" at 31.949,33.8 h1.52
  text "-" at 31,33.7 h1.52
  text "GND" at 31.2,33.369 h2 r322.06
  text "+" at 27.866,33.348 h1.52
  text "+" at 28.125,32.375 h1.52
  text "-" at 31.5,32.307 h1.52
  text "-" at 34.356,31.922 h1.52
  text "-" at 32,31.887 h1.52
  text "+" at 28.659,31.654 h1.52
  text "-" at 32.7,31.2 h1.52
  text "+" at 28.2,31 h1.52
  text "-" at 33.409,30.8 h1.52
  text "USB" at -28.788,30.712 h2 r45
  text "+" at 28.7,30.106 h1.52
  text "+" at 28.2,29.548 h1.52
  text "+" at 28.837,29.219 h1.52
  text "+" at 28.3,28.548 h1.52
  text "+" at 28.8,27.907 h1.52
  text "+" at 28,27.148 h1.52
  text "+" at 29.046,26.7 h1.52
  text "BOOT" at -11.25,17.25 h2 r290.45
  text ".Layer_Name" at 248,-54 h3.5
Bottom Overlay:
  drawing of 215 lines, arcs and shapes, not listed
  text "0    1    +     -     2    3" at 39.4,87 h2 r26
  text "3V3   -  SDA SCL" at 37.2,82.9 h2 r26
  text "R   T" at -35.1,80 h2 r340
  text "+     -" at -30.2,78.3 h2 r340
  text "1                       2" at -26.3,78.1 h2 r340
  text "R   T" at -25.5,76.5 h2 r340
  text "SCL" at 0.453,75.26 h2 r270
  text "3V3" at 2.993,75.26 h2 r270
  text "3V3   -  SDA SCL" at -29.6,75.2 h2 r340.74
  text "Touch 1" at 47.2,75.2 h2 r9
  text "SDA" at -2.087,74.96 h2 r270
  text "GND" at 5.533,74.66 h2 r270
  text "Touch 0" at -41.25,74.5 h2 r357.65
  text "-" at 35,60.2 h5
  text "AREA 3001" at -1.75,59.75 h3.5
  text "+" at 35.6,57.8 h5
  text "-" at -32.4,56.2 h8
  text "+" at 39.3,56.2 h8
  text "WIM" at -32,53.25 h2.5 r349.26
  text "-" at -38.2,51.1 h8
  text "Daan Gerits / Toon Van De Putte / Wim Van Gool / Paul-Armand Verhaegen" at 39.25,50 h2
  text "+" at 43.2,48.2 h8
  text "-" at -39,43.6 h8
  text "FRI3D BADGE 2018" at 34,38.448 h6 r349
  text "+" at 42.7,37.2 h8
  text "-" at -38.4,33.7 h8
  text "GND" at 34.7,33.1 h2 r51.5
  text "-" at -27.6,32.1 h8
  text "BE000001" at 24.2,29.65 h2
  text "3V3" at 28.5,27.9 h2 r3.64
  text "FRI3D_BADGE_2018_01" at 12.25,7.75 h2.5 r354.81
  text ".Layer_Name" at 248,-54 h3.5
Top Paste:
  text ".Layer_Name" at 248,-54 h3.5
Bottom Paste:
  text ".Layer_Name" at 248,-54 h3.5
Top Solder:
  text ".Layer_Name" at 248,-54 h3.5
Bottom Solder:
  region: 2009 vertices and 3 holes, not listed, extent 17.098,31.738 19.059,34.966
  text ".Layer_Name" at 248,-54 h3.5
Drill Guide:
  text ".Layer_Name" at 248,-54 h3.5
3D Symbols:
  text ".Layer_Name" at 248,-54 h3.5
Outline:
  drawing of 163 lines, arcs and shapes, not listed
Comments:
  text ".Layer_Name" at 248,-54 h3.5
Fabrication:
  drawing of 45 lines, arcs and shapes, not listed
  text "Fri3d Badge 2018 is made possible by the following sponsors" at 135,112.5 h6
  text "Place production markings on bottom silk in this area" at -32.5,56.7 h1.52
  text ".Layer_Name" at 248,-54 h3.5
Placebound Top:
  text ".Layer_Name" at 248,-54 h3.5
Placebound Bottom:
  text ".Layer_Name" at 248,-54 h3.5
Frame:
  drawing of 15 lines, arcs and shapes, not listed
  text "Document" at 243.5,-39 h2
  text ".PCB_TITLE" at 245,-44.5 h4
  text "Layer Name" at 243.5,-49 h2
  text "Date" at 243.5,-59 h2
  text "Rev" at 283.5,-59 h2
  text ".Print_Date" at 246.5,-64.5 h3.5
  text ".PCB_REV" at 288,-64.5 h4
  text "Desginer" at 193.5,-69 h2
  text "Document" at 243.5,-69 h2
  text ".Pcb_File_Name_No_Path" at 245,-74 h1.5
  text ".PCB_ENGINEER" at 198,-74.5 h4
Assembly Top:
  text ".Layer_Name" at 248,-54 h3.5
Assembly Bottom:
  lines w0.15: -1,64 ccw(c-2,64) -2,65 -25,65 ccw(c-25,64) -26,64 -26,58 ccw(c-25,58) -25,57 -2,57 ccw(c-2,58) -1,58 -1,64 ; -1,64 -1,64
  text "LABEL" at -1,57 h2
  text ".Layer_Name" at 248,-54 h3.5
Drill Drawing:
  circle w0.2: c-57.002,-16.595 r0.333
  circle w0.2: c-57.002,-16.595 r0.556
  lines w0.2: -57.558,-34.372 -57.28,-34.372 -57.002,-34.65 -56.724,-34.372 -56.447,-34.372 -56.724,-34.095 -56.447,-33.817 -56.724,-33.817 -57.002,-33.539 -57.28,-33.817 -57.558,-33.817 -57.28,-34.095 -57.558,-34.372 ; -57.558,-31.039 -56.447,-31.039 -57.002,-32.15 -57.558,-31.039 ; -57.558,-29.65 -57.002,-29.372 -56.447,-29.65 -56.724,-29.095 -56.447,-28.539 -57.002,-28.817 -57.558,-28.539 -57.28,-29.095 -57.558,-29.65 ; -57.558,-26.872 -57.28,-26.872 -57.002,-27.15 -56.724,-26.872 -56.447,-26.872 -56.724,-26.595 -56.447,-26.317 -56.724,-26.317 -57.002,-26.039 -57.28,-26.317 -57.558,-26.317 -57.28,-26.595 -57.558,-26.872 ; -57.558,-23.539 -56.447,-23.539 -57.002,-24.65 -57.558,-23.539 ; -57.558,-21.872 -57.28,-21.872 -57.28,-22.15 -56.724,-22.15 -56.724,-21.872 -56.447,-21.872 -56.447,-21.317 -56.724,-21.317 -56.724,-21.039 -57.28,-21.039 -57.28,-21.317 -57.558,-21.317 -57.558,-21.872 ; -57.558,-19.65 -56.447,-19.65 -56.447,-18.539 -57.558,-18.539 -57.558,-19.65 ; -57.558,-14.65 -56.447,-14.65 -56.447,-13.539 -57.558,-13.539 -57.558,-14.65 ; -57.335,-31.261 -56.669,-31.261 -57.002,-31.928 -57.335,-31.261 ; -57.335,-26.761 -57.169,-26.761 -57.002,-26.928 -56.835,-26.761 -56.669,-26.761 -56.835,-26.595 -56.669,-26.428 -56.835,-26.428 -57.002,-26.261 -57.169,-26.428 -57.335,-26.428 -57.169,-26.595 -57.335,-26.761 ; -57.335,-14.428 -56.669,-14.428 -56.669,-13.761 -57.335,-13.761 -57.335,-14.428
  lines w0.381: -58.565,-35.4 168.865,-35.4 ; -58.565,-12.9 168.865,-12.9 ; -49.277,-37.9 -49.277,-10.4 ; -39.213,-37.9 -39.213,-10.4 ; -19.652,-37.9 -19.652,-10.4 ; -11.114,-37.9 -11.114,-10.4 ; 1.223,-37.9 1.223,-10.4 ; 26.282,-37.9 26.282,-10.4 ; 36.22,-37.9 36.22,-10.4 ; 48.756,-37.9 48.756,-10.4 ; 67.651,-37.9 67.651,-10.4 ; 81.987,-37.9 81.987,-10.4 ; 104.32,-37.9 104.32,-10.4 ; 126.654,-37.9 126.654,-10.4 ; 145.382,-37.9 145.382,-10.4 ; -58.565,-37.9 168.865,-37.9 168.865,-10.4 -58.565,-10.4 -58.565,-37.9
  text "Symbol" at -57.065,-12.15 h1.2
  text "Count" at -48.527,-12.15 h1.2
  text "Hole Size" at -38.463,-12.15 h1.2
  text "Plated" at -18.902,-12.15 h1.2
  text "Hole Type" at -10.364,-12.15 h1.2
  text "Drill Layer Pair" at 1.973,-12.15 h1.2
  text "Via/Pad" at 27.032,-12.15 h1.2
  text "Pad Shape" at 36.97,-12.15 h1.2
  text "Template" at 49.506,-12.15 h1.2
  text "Description" at 68.401,-12.15 h1.2
  text "Hole Tolerance (+)" at 82.737,-12.15 h1.2
  text "Hole Tolerance (-)" at 105.07,-12.15 h1.2
  text "Hole Length" at 127.404,-12.15 h1.2
  text "Routed Path Length" at 146.132,-12.15 h1.2
  text "2" at -48.527,-14.65 h1
  text "0,500mm (19,69mil)" at -38.463,-14.65 h1
  text "PTH" at -18.902,-14.65 h1
  text "Slot" at -10.364,-14.65 h1
  text "Top Layer - Bottom Layer" at 1.973,-14.65 h1
  text "Pad" at 27.032,-14.65 h1
  text "Rounded" at 36.97,-14.65 h1
  text "r155_90h50_115r100" at 49.506,-14.65 h1
  text "1,150mm (45,28mil)" at 127.404,-14.65 h1
  text "0,650mm (25,59mil)" at 146.132,-14.65 h1
  text "2" at -48.527,-17.15 h1
  text "0,550mm (21,65mil)" at -38.463,-17.15 h1
  text "PTH" at -18.902,-17.15 h1
  text "Slot" at -10.364,-17.15 h1
  text "Top Layer - Bottom Layer" at 1.973,-17.15 h1
  text "Pad" at 27.032,-17.15 h1
  text "Rounded" at 36.97,-17.15 h1
  text "r125_95h55_85r100" at 49.506,-17.15 h1
  text "0,850mm (33,47mil)" at 127.404,-17.15 h1
  text "0,300mm (11,81mil)" at 146.132,-17.15 h1
  text "2" at -48.527,-19.65 h1
  text "1,000mm (39,37mil)" at -38.463,-19.65 h1
  text "NPTH" at -18.902,-19.65 h1
  text "Round" at -10.364,-19.65 h1
  text "Top Layer - Bottom Layer" at 1.973,-19.65 h1
  text "Pad" at 27.032,-19.65 h1
  text "Rounded" at 36.97,-19.65 h1
  text "c0hn100" at 49.506,-19.65 h1
  text "-" at 127.404,-19.65 h1
  text "-" at 146.132,-19.65 h1
  text "2" at -48.527,-22.15 h1
  text "2,000mm (78,74mil)" at -38.463,-22.15 h1
  text "PTH" at -18.902,-22.15 h1
  text "Round" at -10.364,-22.15 h1
  text "Top Layer - Bottom Layer" at 1.973,-22.15 h1
  text "Pad" at 27.032,-22.15 h1
  text "Rounded" at 36.97,-22.15 h1
  text "c300h200" at 49.506,-22.15 h1
  text "-" at 127.404,-22.15 h1
  text "-" at 146.132,-22.15 h1
  text "4" at -48.527,-24.65 h1
  text "0,900mm (35,43mil)" at -38.463,-24.65 h1
  text "PTH" at -18.902,-24.65 h1
  text "Round" at -10.364,-24.65 h1
  text "Top Layer - Bottom Layer" at 1.973,-24.65 h1
  text "Pad" at 27.032,-24.65 h1
  text "(Mixed)" at 36.97,-24.65 h1
  text "(Mixed)" at 49.506,-24.65 h1
  text "-" at 127.404,-24.65 h1
  text "-" at 146.132,-24.65 h1
  text "4" at -48.527,-27.15 h1
  text "1,200mm (47,24mil)" at -38.463,-27.15 h1
  text "NPTH" at -18.902,-27.15 h1
  text "Round" at -10.364,-27.15 h1
  text "Top Layer - Bottom Layer" at 1.973,-27.15 h1
  text "Pad" at 27.032,-27.15 h1
  text "Rounded" at 36.97,-27.15 h1
  text "c120hn120" at 49.506,-27.15 h1
  text "-" at 127.404,-27.15 h1
  text "-" at 146.132,-27.15 h1
  text "4" at -48.527,-29.65 h1
  text "4,800mm (188,98mil)" at -38.463,-29.65 h1
  text "PTH" at -18.902,-29.65 h1
  text "Round" at -10.364,-29.65 h1
  text "Top Layer - Bottom Layer" at 1.973,-29.65 h1
  text "Pad" at 27.032,-29.65 h1
  text "Rounded" at 36.97,-29.65 h1
  text "c700h480" at 49.506,-29.65 h1
  text "-" at 127.404,-29.65 h1
  text "-" at 146.132,-29.65 h1
  text "24" at -48.527,-32.15 h1
  text "1,100mm (43,31mil)" at -38.463,-32.15 h1
  text "NPTH" at -18.902,-32.15 h1
  text "Round" at -10.364,-32.15 h1
  text "Top Layer - Bottom Layer" at 1.973,-32.15 h1
  text "Pad" at 27.032,-32.15 h1
  text "Rounded" at 36.97,-32.15 h1
  text "c110hn110" at 49.506,-32.15 h1
  text "-" at 127.404,-32.15 h1
  text "-" at 146.132,-32.15 h1
  text "233" at -48.527,-34.65 h1
  text "0,300mm (11,81mil)" at -38.463,-34.65 h1
  text "PTH" at -18.902,-34.65 h1
  text "Round" at -10.364,-34.65 h1
  text "Top Layer - Bottom Layer" at 1.973,-34.65 h1
  text "Via" at 27.032,-34.65 h1
  text "Rounded" at 36.97,-34.65 h1
  text "v70h30m0" at 49.506,-34.65 h1
  text "-" at 127.404,-34.65 h1
  text "-" at 146.132,-34.65 h1
  text "277 Total" at -48.527,-37.15 h1
  text "Slot definitions :" at -57.065,-39.633 h1
  text "Routed Path Length" at -39.76,-39.633 h1
  text "= Calculated from tool start centre position to tool end centre position." at -21.289,-39.633 h1
  text "Hole Length" at -39.76,-41.366 h1
  text "= Routed Path Length + Tool Size = Slot length as defined in the PCB layout" at -28.12,-41.366 h1
  text ".Layer_Name" at 248,-54 h3.5

## Dimensions
1,0 to 55.221,104.411 on Fabrication
-60.622,84.371 to 59.131,98.06 on Fabrication
-60.625,84.342 to 27.667,23.456 on Drill Drawing
27.667,23.456 to 1,0 on Drill Drawing

## Text inside footprints (layer, text, board x,y; h text height)
BAT1: Assembly Bottom "+" at 36.75,50 h2 r180; Bottom Overlay "+" at 38,44.5 h2 r180
J1: Comments "uSD CARD" at -9.4,17 h1.2 r270
J2: Comments "PCB EDGE" at -23.012,28.588 h0.5 r350